# Altium PCB micro-ltc-pvt1g.PcbDoc (part 4 of 4)
Units mm, origin at the board's own origin, x right, y up, seen from the top; angles counter-clockwise.
Board outline 75.2 x 35.65 mm, 4 copper layers (Top, L2, L3, Bottom), stack 0.692 mm thick; 80 components, 47 nets, 716 pads, 100 vias.
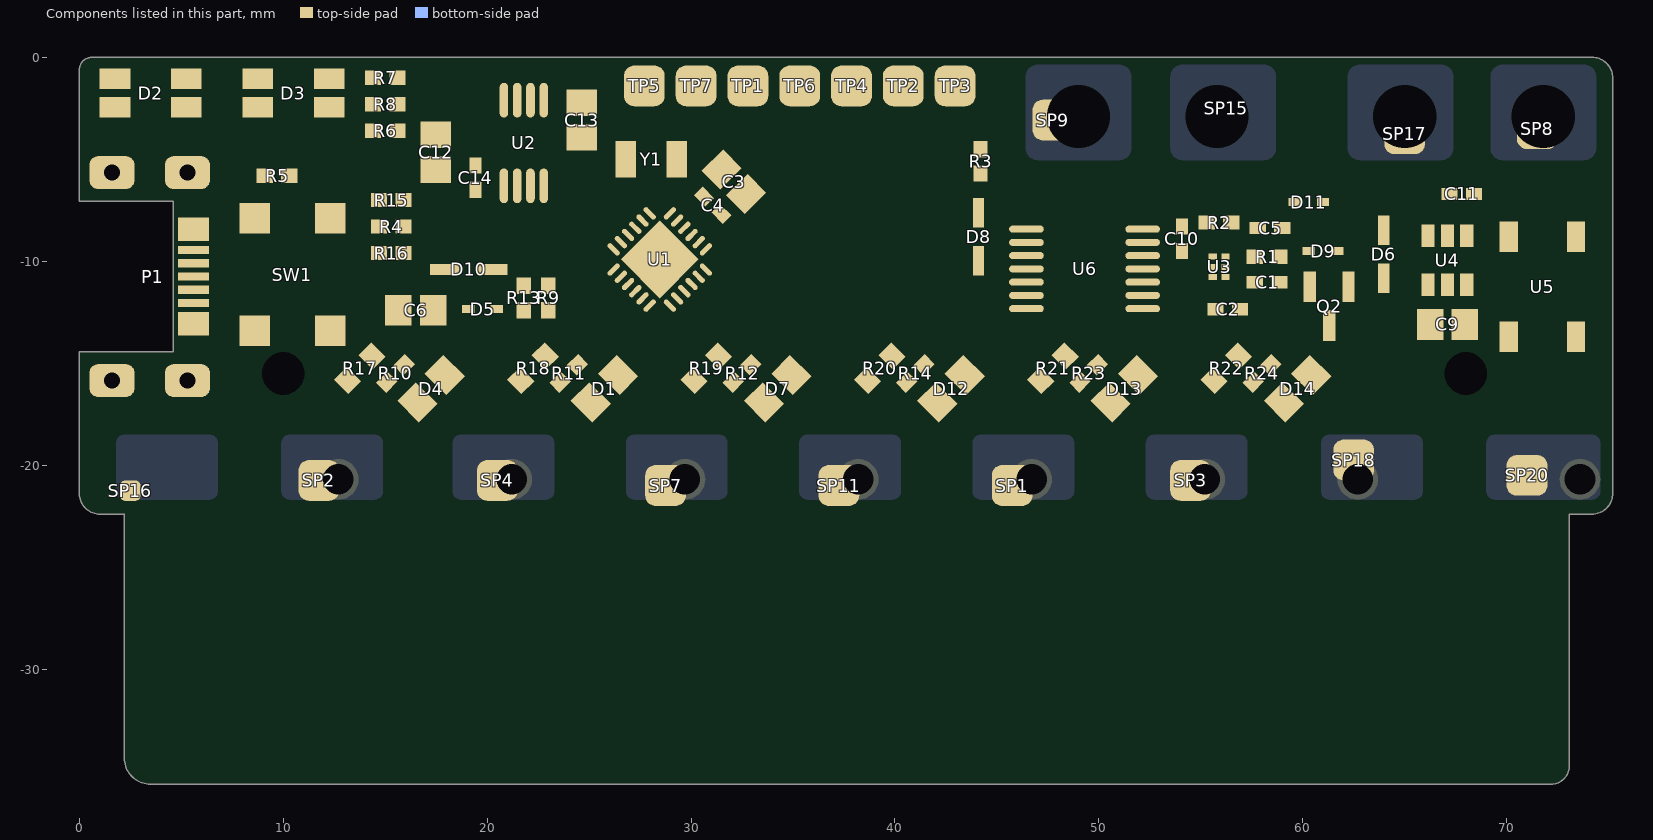
[diagram p6: the components of this part, seen from the top]

## Other copper
Top:
  region: 539 vertices and 0 holes, not listed, extent 5.952,-19.24 6.924,-18.246
  region net EXTGND: 82 vertices and 3 holes, not listed, extent 0.18,-22.21 8.062,-17.189
  region net ANA0: 64 vertices and 1 holes, not listed, extent 8.242,-22.21 16.542,-17.189
  region: 1352 vertices and 0 holes, not listed, extent 13.952,-19.78 15.068,-18.664
  region net ANA1: 62 vertices and 1 holes, not listed, extent 16.721,-22.21 25.021,-17.189
  region net ANA2: 65 vertices and 1 holes, not listed, extent 25.201,-22.21 33.5,-17.189
  region net ANA3: 61 vertices and 1 holes, not listed, extent 33.681,-22.21 41.98,-17.189
  region net DIG0: 48.341,-17.198 48.541,-17.225 48.739,-17.269 48.933,-17.33 49.12,-17.407 49.3,-17.501 49.47,-17.61 49.562,-17.68 49.628,-17.731 49.689,-17.786 49.691,-17.788 49.778,-17.868 49.779,-17.87 49.787,-17.878 49.788,-17.878 49.87,-17.968 49.916,-18.019 50.04,-18.179 50.149,-18.35 50.242,-18.53 50.32,-18.717 50.381,-18.91 50.424,-19.108 50.451,-19.309 50.46,-19.511 50.451,-19.714 50.424,-19.914 50.381,-20.112 50.32,-20.305 50.242,-20.492 50.149,-20.672 50.04,-20.843 49.967,-20.938 49.919,-21.001 49.862,-21.063 49.781,-21.151 49.779,-21.152 48.721,-22.21 42.161,-22.21 42.16,-22.207 46.497,-17.87 46.505,-17.862 46.505,-17.861 46.598,-17.776 46.645,-17.733 46.806,-17.61 46.977,-17.501 47.156,-17.407 47.344,-17.33 47.537,-17.269 47.735,-17.225 47.936,-17.198 48.138,-17.189 hole: 47.872,-18.025 47.861,-18.03 47.861,-18.03 47.549,-18.342 47.548,-18.344 47.546,-18.345 47.546,-18.35 47.544,-18.354 47.545,-18.356 47.544,-18.358 47.883,-19.734 47.885,-19.738 47.887,-19.742 48.13,-19.984 48.141,-19.989 48.141,-19.989 48.141,-19.989 48.148,-19.986 48.153,-19.984 48.701,-19.437 48.993,-19.729 49.004,-19.734 49.016,-19.729 49.288,-19.457 49.288,-19.457 49.288,-19.457 49.29,-19.451 49.293,-19.446 49.293,-19.446 49.293,-19.446 49.29,-19.44 49.288,-19.434 49.288,-19.434 49.288,-19.434 48.996,-19.143 48.996,-19.141 49.143,-18.994 49.143,-18.994 49.148,-18.982 49.143,-18.971 48.926,-18.754 48.92,-18.751 48.915,-18.749 48.915,-18.749 48.915,-18.749 48.909,-18.751 48.903,-18.754 48.755,-18.901 47.884,-18.03 hole: 49.746,-19.421 49.735,-19.426 48.646,-20.515 48.641,-20.527 48.646,-20.538 48.646,-20.538 48.796,-20.688 48.796,-20.688 48.807,-20.693 48.819,-20.688 49.908,-19.599 49.912,-19.587 49.908,-19.576 49.758,-19.426
  region: 48.46,-19.196 48.14,-19.516 48.138,-19.515 47.907,-18.647 47.909,-18.646
  region net DIG1: 61 vertices and 2 holes, not listed, extent 50.639,-22.21 58.939,-17.189
  region net EXTGND: 60.982,-22.226 60.982,-18.181 60.982,-18.174 cw(c61.974,-18.18) 61.086,-17.737 cw(c61.99,-18.189) 61.395,-17.372 cw(c61.987,-18.183) 61.533,-17.287 cw(c61.981,-18.172) 61.779,-17.201 cw(c61.981,-18.173) 61.918,-17.182 cw(c61.982,-18.184) 61.982,-17.18 66.442,-17.18 64.803,-21.062 66.353,-20.674 65.985,-22.226
  region net VMCU: 68.008,-22.226 69.78,-17.904 67.736,-18.604 67.858,-17.18 75.002,-17.18 75.002,-21.226 cw(c73.999,-21.226) 75,-21.28 cw(c74.012,-21.227) 74.96,-21.511 cw(c74.009,-21.226) 74.895,-21.675 cw(c73.993,-21.217) 74.579,-22.041 cw(c74.002,-21.232) 74.067,-22.224 cw(c74.002,-21.223) 74.002,-22.226
  region net RGB_OUT: 68.763,-4.729 cw(c69.644,-4.272) 68.67,-4.465 cw(c69.645,-4.272) 68.653,-4.335 cw(c69.656,-4.272) 68.651,-4.272 68.651,-0.226 69.645,-0.226 69.652,-0.226 74.001,-0.226 cw(c74.001,-1.23) 74.054,-0.227 cw(c74.002,-1.216) 74.308,-0.274 cw(c74.001,-1.22) 74.464,-0.34 cw(c73.993,-1.234) 74.801,-0.626 cw(c73.997,-1.231) 74.891,-0.77 cw(c74.009,-1.225) 74.982,-1.031 cw(c74.008,-1.225) 74.999,-1.162 cw(c73.997,-1.226) 75.001,-1.226 75.001,-4.272 75.001,-4.28 cw(c74.009,-4.272) 74.899,-4.711 cw(c73.993,-4.264) 74.584,-5.084 cw(c73.997,-4.269) 74.448,-5.166 cw(c74.002,-4.28) 74.219,-5.248 cw(c74.002,-4.28) 74.067,-5.27 cw(c74.001,-4.269) 74.001,-5.272 69.652,-5.272 cw(c69.652,-4.267) 69.599,-5.271 cw(c69.651,-4.282) 69.344,-5.223 cw(c69.652,-4.278) 69.187,-5.157 cw(c69.66,-4.263) 68.854,-4.874 cw(c69.656,-4.266)
  region net EXTGND: 61.137,-5.272 66.422,-5.272 ccw(c66.422,-4.27) 66.487,-5.27 ccw(c66.422,-4.279) 66.987,-5.095 ccw(c66.413,-4.264) 67.328,-4.693 ccw(c66.43,-4.272) 67.421,-4.285 67.422,-4.272 67.422,-0.226 66.429,-0.226 66.422,-0.226 61.603,-0.226 61.246,-1.73 62.796,-1.343
  region net UART_TX_EXT: 46.337,-5.156 ccw(c46.803,-4.278) 46.492,-5.222 ccw(c46.801,-4.282) 46.75,-5.271 ccw(c46.802,-4.268) 46.802,-5.272 51.152,-5.272 ccw(c51.153,-4.268) 51.216,-5.27 ccw(c51.153,-4.28) 51.355,-5.251 ccw(c51.153,-4.28) 51.601,-5.165 ccw(c51.148,-4.269) 51.74,-5.08 ccw(c51.144,-4.264) 52.048,-4.715 ccw(c51.161,-4.272) 52.153,-4.278 52.153,-4.272 52.153,-0.226 45.803,-0.226 45.803,-1.226 45.802,-4.272 ccw(c46.807,-4.272) 45.804,-4.335 ccw(c46.796,-4.272) 45.821,-4.465 ccw(c46.795,-4.272) 45.914,-4.729 ccw(c46.806,-4.266) 46.005,-4.874 ccw(c46.811,-4.263)
  region net VBAT_D: 53.495,-4.732 cw(c54.374,-4.272) 53.401,-4.463 cw(c54.376,-4.272) 53.384,-4.335 cw(c54.387,-4.272) 53.382,-4.272 53.382,-0.257 53.413,-0.226 59.572,-0.226 57.819,-4.5 59.864,-3.8 59.737,-5.272 54.383,-5.272 cw(c54.383,-4.267) 54.322,-5.27 cw(c54.381,-4.281) 54.088,-5.228 cw(c54.383,-4.278) 53.921,-5.159 cw(c54.391,-4.263) 53.588,-4.878 cw(c54.386,-4.266)
  text "Top layer, on rigid core" at -14.5,-46.425 h1.5
L2:
  text "L2, on rigid core" at -14.675,-46.725 h1.5
L3:
  rectangle net VMCU: 70.6,-21.685 73,-20.225
  rectangle net VMCU: 72.375,-21.75 74.675,-19.675
  rectangle net EXTGND: 3.825,-21.125 6.2,-19.875
  text "L3, on PI flex" at -14.25,-46.65 h1.5
  text "OK to remove unused via pads to improve yield" at -14.425,-50.15 h1.5
Bottom:
  rectangle net ANA0: 10,-35.4 14.8,-32.8
  rectangle net ANA1: 18.497,-35.41 23.297,-32.81
  rectangle net ANA2: 26.977,-35.41 31.777,-32.81
  rectangle net ANA3: 35.456,-35.41 40.256,-32.81
  rectangle net DIG0: 43.936,-35.41 48.736,-32.81
  rectangle net DIG1: 52.415,-35.41 57.215,-32.81
  rectangle net EXTGND: 61,-35.4 64.8,-32.8
  text "Bottom, on PI flex" at -14.6,-46.625 h1.5
  text "OK to remove unused via pads to improve yield" at -14.375,-50.25 h1.5

## Silkscreen, mask and mechanical layers (free items; w line width, h text height)
Top Silk:
  circle w0.1: c42.008,-6.518 r0.5
  text "PWR" at 1.6,-4.6 h2.3
  text "PROG" at 7.7,-4.6 h2.3
  text "Love to Code" at 34.008,-5.468 h2
  text "R" at 41.833,-6.768 h0.8
  text "TXT" at 46.9,-7.2 h2.6
  text "+5V" at 53.9,-7.2 h2.6
  text "GND" at 61.8,-7.2 h2.6
  text "RGB" at 69.5,-7.2 h2.6
  text "Chibitronics" at 34.208,-12.868 h2
  text "GND" at 61.8,-16.8 h2.6
  text "+3V" at 69.775,-16.8 h2.6
Bottom Silk:
  circle w0.2: c72.625,-7.175 r0.811
  lines w0.2: 14.9,-0.4 14.9,-17.4 16.9,-17.4 ; 41.9,-17.4 43.9,-17.4 43.9,-0.4
  text "PVT1G" at 5.2,-2.5 h1.5
  text "Warranty Code" at 13.5,-2.5 h2 r90
  text "06/17" at 4.8,-3.9 h1.5
  text "Bitmark" at 11.65,-5.275 h2 r90
  text "Bitmark Label Area" at 39.55,-7.325 h2.5
  text "c  2017 Chibitronics PTE LTD" at 73.037,-7.634 h2
  text "Copyrights: CERN OHL v1.2" at 73.037,-9.484 h2
  text "Patent Pending" at 73.012,-11.434 h2
  text "Patents: Apache 2.0" at 73.037,-13.359 h2
Top Solder:
  rectangle: 13.175,-20.275 15.6,-18.075
  rectangle: 22.05,-20.15 24.025,-18.1
  rectangle: 30.4,-20.55 32.675,-18.125
  rectangle: 38.625,-20.575 40.95,-18.075
  rectangle: 47.25,-20.925 49.825,-18.025
  rectangle: 55.625,-21.032 58.37,-18
  rectangle: 1.5,-33.2 74.002,-23.25
  region: 6.525,-17.8 6.1,-17.8 3.425,-20.475 3.425,-21.45 3.85,-21.875 4.825,-21.875 7.375,-19.325 7.375,-18.275 6.875,-17.775 6.55,-17.775
Bottom Coverlay:
  rectangle: 1.5,-35.6 74,-33.5
  lines w0.1: -7.575,-37.475 -4.65,-34.55 0.85,-34.55
  text "Bottom coverlay opening just on this edge" at -35.15,-39.2 h1.8
Top coverlay:
  rectangle: 1.5,-33.2 74.002,-23.25
  lines w0.1: -14.175,-35.75 -0.225,-35.75 0.675,-34.85 ; -9.9,-19.95 -7.075,-22.775 1.5,-22.775
  text "Coverlay on rigid-flex transition area" at -38.85,-20.725 h1.8
  text "Coverlay strip along bottom" at -35.575,-36.25 h1.8
  text "Top Coverlay" at -14.15,-46.575 h1.5
Fab notes:
  drawing of 390 lines, arcs and shapes, not listed
  text "Finish: immersion gold" at 93.575,65.575 h1.5
  text "Layer" at -26.951,65.22 h1.52
  text "Name" at -16.539,65.22 h1.52
  text "Material" at 14.186,65.22 h1.52
  text "Thickness" at 36.024,65.22 h1.52
  text "Constant" at 52.53,65.22 h1.52
  text "rigid" at 67.004,65.22 h1.52
  text "flex" at 79.955,65.22 h1.52
  text "Natural/yellow PI coverlay on top side flex region" at 93.45,62.45 h2.5
  text "1" at -26.951,62.172 h1.52
  text "flex Top Coverlay 1" at -16.539,62.172 h1.52
  text "Polyimide" at 14.186,62.172 h1.52
  text "0.010mm" at 36.024,62.172 h1.52
  text "3.4" at 52.53,62.172 h1.52
  text "2" at -26.951,59.124 h1.52
  text "Top Silk" at -16.539,59.124 h1.52
  text "Silkscreen - top - Pantone 431C - gloss dark gray" at 93.625,59.125 h2.5
  text "Soldermask - top - 636U - matte teal" at 93.55,56.15 h2.5
  text "3" at -26.951,56.076 h1.52
  text "Top Solder" at -16.539,56.076 h1.52
  text "Solder Resist" at 14.186,56.076 h1.52
  text "0.010mm" at 36.024,56.076 h1.52
  text "3.5" at 52.53,56.076 h1.52
  text "OK to make top copper 0.017mm if production is easier" at 93.45,53.325 h1
  text "4" at -26.951,53.028 h1.52
  text "Top" at -16.539,53.028 h1.52
  text "Copper" at 14.186,53.028 h1.52
  text "0.036mm" at 36.024,53.028 h1.52
  text "5" at -26.951,49.98 h1.52
  text "Core" at -16.539,49.98 h1.52
  text "FR-4" at 14.186,49.98 h1.52
  text "0.500mm" at 36.024,49.98 h1.52
  text "4.2" at 52.53,49.98 h1.52
  text "6" at -26.951,46.932 h1.52
  text "L2" at -16.539,46.932 h1.52
  text "Copper" at 14.186,46.932 h1.52
  text "0.017mm" at 36.024,46.932 h1.52
  text "7" at -26.951,43.884 h1.52
  text "NF-PP" at -16.539,43.884 h1.52
  text "0.040mm" at 36.024,43.884 h1.52
  text "4.2" at 52.53,43.884 h1.52
  text "Use rolled copper, not electrodeposited copper, for flex layers" at 95.05,41.55 h1
  text "8" at -26.951,40.836 h1.52
  text "L3" at -16.539,40.836 h1.52
  text "Copper" at 14.186,40.836 h1.52
  text "0.017mm" at 36.024,40.836 h1.52
  text "Note thinner PI + Cu layer spec" at 95.425,38.85 h1.5
  text "9" at -26.951,37.788 h1.52
  text "PI" at -16.539,37.788 h1.52
  text "0.065mm" at 36.024,37.788 h1.52
  text "3.4" at 52.53,37.788 h1.52
  text "can accept from 0.04-0.06mm thickness for PI layer" at 96.025,35.55 h1
  text "10" at -26.951,34.74 h1.52
  text "Bottom" at -16.539,34.74 h1.52
  text "Copper" at 14.186,34.74 h1.52
  text "0.017mm" at 36.024,34.74 h1.52
  text "White PI coverlay" at 92.675,32.15 h2.5
  text "11" at -26.951,31.692 h1.52
  text "Bottom Coverlay" at -16.539,31.692 h1.52
  text "Polyimide" at 14.186,31.692 h1.52
  text "0.010mm" at 36.024,31.692 h1.52
  text "3.5" at 52.53,31.692 h1.52
  text "Silkscreen - bottom - Pantone 431C - gloss dark gray" at 92.675,28.675 h2.5
  text "12" at -26.951,28.644 h1.52
  text "Bottom Silk" at -16.539,28.644 h1.52
  text "Fab notes" at -14.425,-46.55 h1.5
Designators:
  text "Designators" at -14.675,-46.825 h1.5
Rigid outline:
  lines w0.1: 0,-7.05 4.6,-7.05 4.6,-14.45 0,-14.45 0,-16.625 0,-21.375 ccw(c1,-21.375) 1,-22.375 2.2,-22.375 73.075,-22.375 74.2,-22.375 ccw(c74.2,-21.375) 75.2,-21.375 75.2,-0.975 ccw(c74.2,-0.975) 74.2,0.025 73.6,0.025 0.6,0.025 ccw(c0.6,-0.575) 0,-0.575 0,-4.825 0,-7.05 ; 0,-7.05 0,-7.05
  text "Rigid areas" at -14.025,-46 h1.5
Flex Outline:
  lines w0.1: 2.2,-34.35 ccw(c3.5,-34.35) 3.5,-35.65 72.175,-35.65 ccw(c72.175,-34.75) 73.075,-34.75 73.075,-22.4 2.2,-22.4 2.2,-34.35
  text "Flex areas" at -14.425,-46.075 h1.5